# Altium PCB LimeSDR-Micro_1v1.PcbDoc (part 6 of 9)
Units mm, origin at the board's own origin, x right, y up, seen from the top; angles counter-clockwise.
Board outline 50.8 x 29.7 mm, 8 copper layers (Top, L2, L3, L4, L5, L6, L7, Bottom), stack 0.925 mm thick; 653 components, 377 nets, 2314 pads, 818 vias.
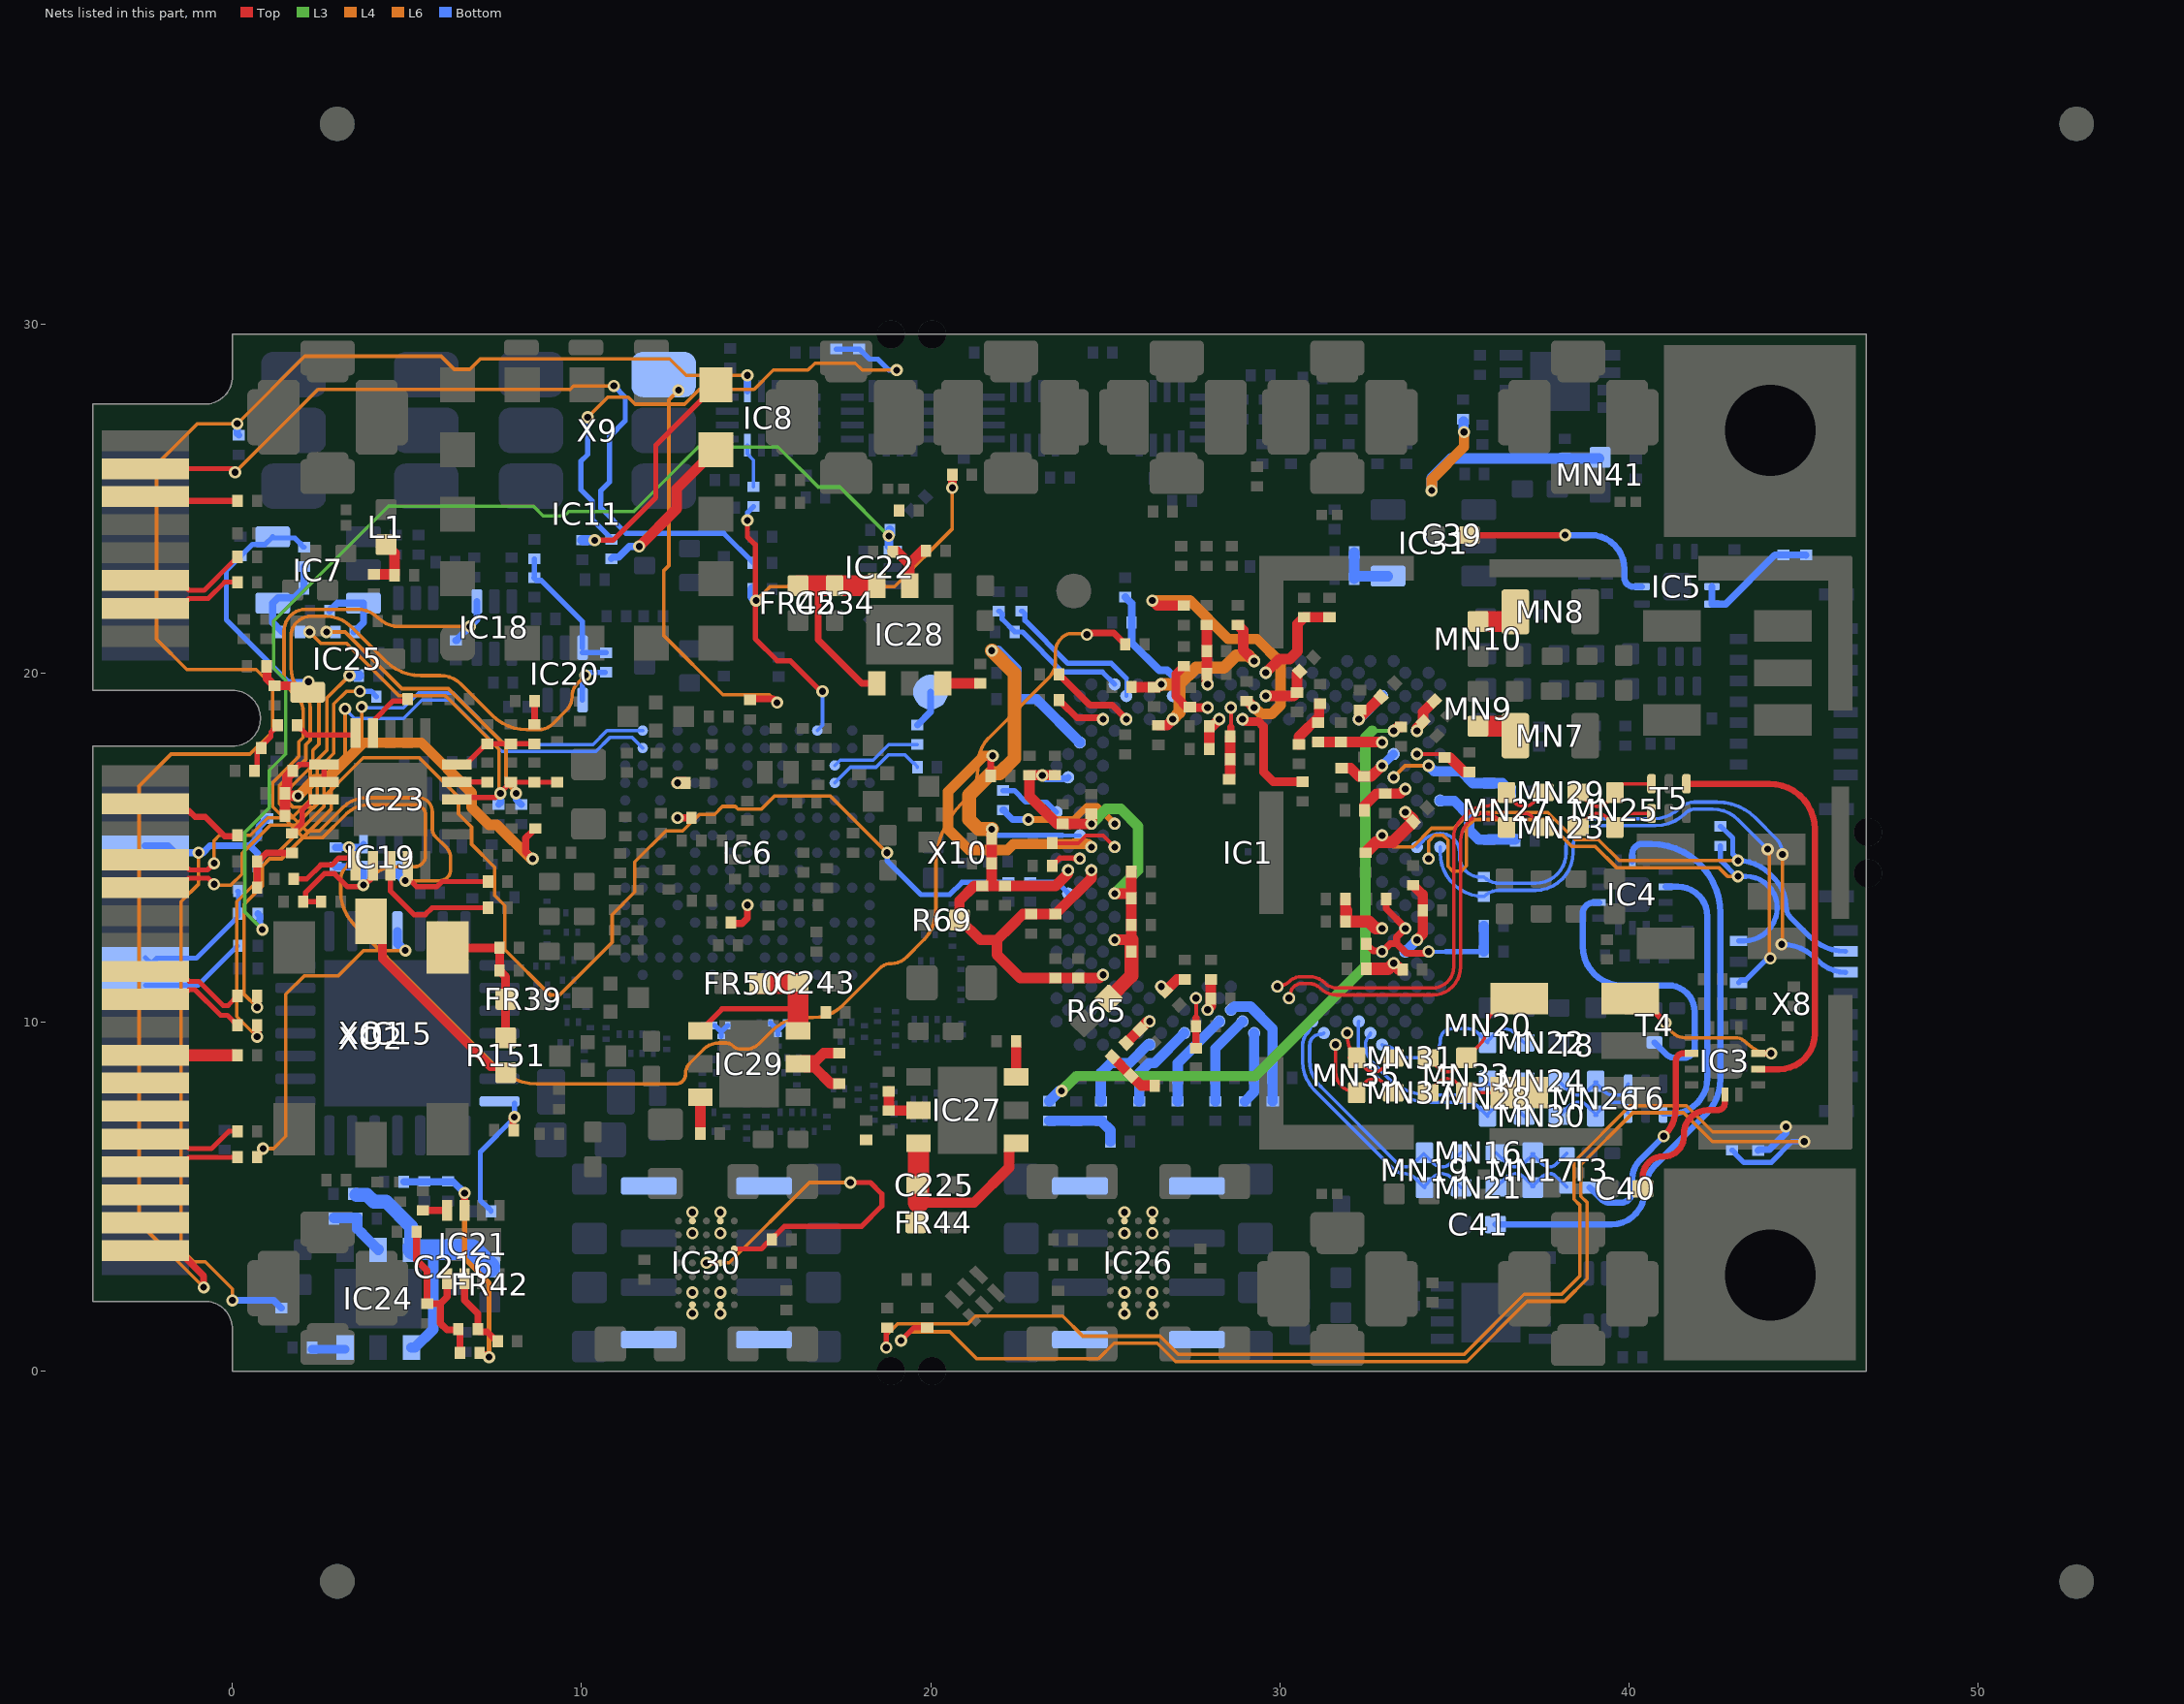
[diagram p12: the nets of this part, all layers, seen from the top]

## Via types
v1: diameter 0.35, hole 0.2, Top to Bottom, tented both sides, 672 vias
v2: diameter 0.35, hole 0.2, L5 to Bottom, tented both sides, 108 vias
v3: diameter 0.4, hole 0.2, Top to Bottom, tented both sides, 30 vias
v4: diameter 0.5, hole 0.2, Top to Bottom, tented both sides, 8 vias

## Nets (pads, with @x,y where several pads share a name; then routed paths per layer and width w, separated by ;. In a path a pad name is that pad's centre, name@x,y a point inside that pad or via, vN(x,y) a via of type N, cw(c..) or ccw(c..) an arc to the next point about the centre after c; other vN are vias at no path point) (continued)
LMS_TX2_BB_I_N: IC1.T6 R6.1 X8.3 | length 16.9
  L6 w0.1: v2(32.93,15.345) 33.255,15.02 33.82,15.02 34.35,15.55 34.992,15.55 35.442,16 37.683,16 38.458,15.225 39.125,15.225 39.725,14.625 v2(43.125,14.625) v2@43.15,14.625
  Bottom w0.15: R6.1@42.625,15.605 42.7,15.53 42.712,15.53 42.975,15.267 42.975,15.2 42.975,14.813 43.125,14.663 v2(43.125,14.625) cw(c43.125,13.358) 44.021,14.254 44.182,14.093 cw(c43.414,13.325) 44.5,13.325 ccw(c44.983,13.325) 44.642,12.983 45.17,12.455 ccw(c46.207,13.492) X8.3@46.207,12.025
LMS_TX2_BB_I_P: IC1.V2 R6.2 X8.2 | length 16.6
  L6 w0.1: v2(34.262,14.679) 34.262,15.179 34.433,15.35 34.675,15.35 34.817,15.208 34.817,14.458 34.95,14.325 35.2,14.325 35.35,14.475 35.35,15.575 35.575,15.8 37.6,15.8 38.375,15.025 39.042,15.025 39.642,14.425 42.575,14.425 42.825,14.175 v2(43.125,14.175)
  Bottom w0.15: R6.2@42.625,15.045 42.625,14.63 43.08,14.175 v2(43.125,14.175) 43.35,14.175 cw(c43.35,13.275) 44.25,13.275 cw(c43.3,13.275) 43.3,12.325 X8.2@43.142,12.325
LMS_TX2_BB_Q_N: IC1.U1 R9.2 X8.6 | length 16.4
  L6 w0.1: v2@43.975,11.9 v2@44.025,11.85 ; v2@44.025,14.95 v2@44.025,11.85 ; v2(44.05,11.825) v2@44.025,11.85
  Bottom w0.1: IC1.U1@34.595,15.012 34.595,14.85 ccw(c35.85,14.85) R9.2@35.85,13.595 cw(c36.285,13.16) 36.285,13.775 37.325,13.775 ccw(c37.325,14.85) 38.4,14.85 38.4,15 cw(c39.025,15) 39.025,15.625 40.766,15.625 ccw(c40.766,16.809) 41.603,15.972 cw(c41.912,15.663) 41.912,16.1 42.4,16.1 cw(c42.4,15.074) 43.126,15.799 v2(43.975,14.95)
  Bottom w0.15: X8.6@43.142,11.125 43.217,11.2 43.35,11.2 v2@43.922,11.772 ; v2@43.922,11.772 cw(c44.05,11.644) v2(44.05,11.825)
LMS_TX2_BB_Q_P: IC1.U3 R9.1 X8.5 | length 18
  L6 w0.1: v2@44.4,12.225 v2(44.4,14.8) v2@44.475,14.725
  Bottom w0.1: IC1.U3@33.929,15.012 34.116,15.2 cw(c34.6,14.716) 34.6,15.4 cw(c34.6,14.85) 35.15,14.85 35.15,14.75 ccw(c35.745,14.75) 35.745,14.155 R9.1@35.85,14.155 ccw(c36.285,14.59) 36.285,13.975 37.325,13.975 ccw(c37.325,14.85) 38.2,14.85 38.2,15 cw(c39.025,15) 39.025,15.825 40.726,15.825 ccw(c40.726,16.849) 41.45,16.125 cw(c41.872,15.703) 41.872,16.3 42.525,16.3 cw(c42.525,14.731) 43.635,15.84 44.234,15.241 cw(c43.892,14.9) v2@44.375,14.9
  Bottom w0.15: v2(44.376,12.225) cw(c44.376,10.84) 45.356,11.819 45.427,11.748 ccw(c46.207,12.529) X8.5@46.207,11.425
LMS_TXEN: IC1.U29 R11.1 | length 2
  Top w0.11: R11.1@23.48,15.15 R11.1@23.48,15.125 24.225,15.125 24.448,15.348 24.934,15.348 v1(25.27,15.012)
MCP_RESET: C180.1 IC15.14 R128.2 | length 4
  Top w0.2: v1@8,7.225 8.028,7.198 8.028,6.927 R128.2@8.055,6.9
  Bottom w0.15: C180.1@7.405,4.575 7.405,4.6 7.33,4.675 7.317,4.675 7.1,4.892 7.1,6.28 8.075,7.255 IC15.14@8.075,7.675
  other v1: 8.075,7.275
NetC7_2: C7.2 IC1.C29 R20.1 | length 4.3
  Bottom w0.15: R20.1@21.95,21.77 21.975,21.77 22.05,21.695 22.05,21.542 22.405,21.187 C7.2@22.405,21.175 22.63,21.175 23.78,20.025 24.92,20.025 IC1.C29@25.27,19.674
NetC39_2: C39.2 IC5.2 | length 5.9
  Top w0.18: C39.2@35.425,23.95 v1(38.175,23.95)
  Bottom w0.18: v1(38.175,23.95) 38.897,23.95 cw(c38.897,22.972) 39.875,22.972 39.875,22.725 ccw(c40.125,22.725) 40.125,22.475 IC5.2@40.375,22.475
NetC40_2: C40.2 IC3.13 | length 4.2
  Top w0.18: C40.2@40.4,5.225 40.4,5.575 cw(c40.975,5.575) 40.975,6.15 41,6.15 ccw(c41,6.725) 41.575,6.725 41.575,6.787 cw(c42.262,6.787) 42.262,7.475 42.538,7.475 ccw(c42.538,7.687) 42.75,7.687 IC3.13@42.75,7.922
NetC41_2: C41.2 IC4.13 | length 17.6
  Bottom w0.18: C41.2@36.177,4.2 39.5,4.2 ccw(c39.5,5.15) 40.392,4.822 ccw(c39.5,5.15) 40.45,5.15 cw(c41.536,5.15) 40.768,5.918 42.2,7.35 ccw(c41.176,8.375) 42.625,8.375 42.625,13.11 ccw(c40.635,13.11) 40.635,15.1 40.375,15.1 ccw(c40.375,14.825) 40.1,14.825 IC4.13@40.1,14.603
NetC42_1: C42.1 FR1.1 MN41.2 | length 7.8
  L6 w0.3: v1(34.35,25.225) 34.35,25.55 35.275,26.475 v1(35.275,26.9)
  Bottom w0.3: v1(34.35,25.225) 34.35,25.59 34.905,26.145 35.521,26.145 C42.1@38.165,26.145 MN41.2@39.145,26.145 ; FR1.1@35.265,27.205 35.265,26.91 v1(35.275,26.9)
NetC45_1: C45.1 FR2.2 IC5.8 IC5.9 | length 3.8
  Bottom w0.2: IC5.8@42.375,22.475 IC5.9@42.375,21.975 42.775,21.975 44.18,23.38 C45.1@44.425,23.38 45.065,23.38 FR2.2@45.07,23.375
NetC52_1: C52.1 C53.1 C59.1 C60.1 C61.1 C62.1 C63.1 C64.1 IC1.AA29 IC1.AE29 IC1.L33 IC1.R31 R65.2 | length 13.2
  Top w0.3: C60.1@23.564,17.069 C59.1@22.83,17.069 22.83,16.468 23.62,15.678 v1(24.604,15.678) C52.1@24.604,15.97 ; v1(25.27,13.68) 25.747,13.68 C63.1@25.747,14.31 ; v1@25.299,12.338 25.294,12.338 25.28,12.352 25.28,12.358 25.747,12.358 C61.1@25.747,12.785 C64.1@25.747,13.54
  Top w0.4: R65.2@25.1,10.675 25.747,11.322 C62.1@25.747,12.015 25.747,12.358
  L3 w0.3: v1(24.604,15.678) 25.029,16.103 25.447,16.103 25.942,15.607 25.942,14.352 v1(25.27,13.68)
  Bottom w0.2: v1(23.197,17.065) 23.294,16.968 23.79,16.968 23.804,16.981 23.91,16.981 IC1.L33@23.938,17.01
  other v1: 25.27,12.348
NetC54_1: C54.1 C55.1 C56.1 FR7.1 IC1.A17 IC1.C25 IC1.F24 | length 6.8
  Top w0.3: FR7.1@25.752,19.595 C56.1@26.397,19.595 26.51,19.595 26.589,19.674 v1(26.602,19.674) ; C54.1@26.524,18.501 26.774,18.501 26.935,18.662 v1(26.935,18.675) ; C55.1@28.8,21.375 28.95,21.225 28.95,20.657 v1(29.266,20.34)
  L4 w0.35: v1(26.602,19.674) 27.125,19.674 ; v1(26.935,18.675) 27.125,18.865 27.125,19.674 ; v1(29.266,20.34) 29.107,20.5 28.75,20.5 28.4,20.15 27.601,20.15 27.125,19.674
NetC57_2: C57.2 FR6.1 IC1.M4 | length 1.5
  Top w0.3: FR6.1@32.427,16.065 32.427,16.199 32.773,16.545 C57.2@33.022,16.545 33.45,16.545 33.582,16.677 v1(33.596,16.677)
NetC58_1: C58.1 FR5.1 IC1.AL21 | length 0.9
  Top w0.3: v1(27.934,10.35) 27.934,10.364 28.026,10.456 C58.1@28.026,10.675 FR5.1@28.025,11.22 FR5.1@28.025,11.22
NetC65_1: C65.1 IC1.G5 R66.1 | length 18.3
  Top w0.3: v1(33.263,18.342) 33.276,18.342 33.389,18.455 C65.1@33.475,18.455
  L3 w0.11: 32.658,18.342 v1@33.182,18.342
  L3 w0.3: v1(23.75,8.025) 24.175,8.45 29.3,8.45 32.45,11.6 32.45,18.15 32.65,18.35
  Bottom w0.3: R66.1@23.4,7.731 23.694,8.025 v1(23.75,8.025)
NetC66_1: C66.1 FR10.1 IC1.P4 | length 2.1
  Top w0.35: FR10.1@32.484,14.875 32.759,15.15 33.232,15.15 C66.1@33.824,15.742 33.824,15.782 v1(33.596,16.011)
NetC67_1: C67.1 FR21.1 IC1.D6 IC1.F8 | length 1.8
  Top w0.3: v1(32.264,18.675) 32.264,18.681 FR21.1@32.899,19.317
  Bottom w0.3: v1(32.264,18.675) IC1.D6@32.93,19.341
NetC68_1: C68.1 FR20.1 IC1.B16 | length 2.9
  Top w0.3: v1(29.599,20.007) 29.992,20.4 30.288,20.4 30.509,20.621 30.509,21.404 C68.1@30.7,21.595 FR20.1@31.425,21.595
NetC69_1: C69.1 C70.1 FR19.1 IC1.E19 | length 2
  Top w0.11: 28.6,18.45 v1(28.6,19.008)
  Top w0.2: C69.1@28.6,18.155 28.6,18.18 28.6,18.45
  Top w0.3: FR19.1@28.575,17.055 28.575,17.628 C69.1@28.575,18.155
NetC71_2: C71.2 FR18.1 IC1.F20 | length 1
  Top w0.3: FR18.1@27.98,17.825 C71.2@27.98,18.475 28.067,18.475 v1(28.267,18.675)
NetC72_1: C72.1 FR17.1 IC1.AJ25 | length 0.7
  Top w0.3: C72.1@26.724,10.888 27.056,11.22 FR17.1@27.275,11.22
  other v1: 26.602,11.016
NetC73_1: C73.1 IC1.AP26 R67.1 | length 2.5
  Bottom w0.3: R67.1@24.875,7.73 C73.1@24.875,8.4 24.875,8.539 25.161,8.825 25.696,8.825 26.212,9.341 26.26,9.341 IC1.AP26@26.269,9.351
NetC74_1: C74.1 FR15.1 IC1.AN23 | length 2.6
  Bottom w0.3: FR15.1@25.97,7.73 25.975,7.73 C74.1@25.975,8.4 25.975,8.539 26.261,8.825 26.409,8.825 IC1.AN23@27.268,9.684
NetC75_1: C75.1 FR14.1 IC1.AM20 | length 2.8
  Bottom w0.3: FR14.1@27.075,7.73 C75.1@27.075,8.4 27.075,8.825 IC1.AM20@28.267,10.017
NetC76_1: C76.1 FR13.1 IC1.AL19 | length 3.6
  Bottom w0.3: IC1.AL19@28.6,10.35 28.614,10.35 28.706,10.442 29.158,10.442 29.795,9.805 C76.1@29.795,8.4 FR13.1@29.795,7.73
NetC77_1: C77.1 FR12.1 IC1.AG5 | length 1.1
  Top w0.35: FR12.1@32.53,11.525 33.105,11.525 v1(33.263,11.682) C77.1@33.445,11.5
NetC78_2: C78.2 FR11.1 IC1.AD6 | length 2.1
  Top w0.3: FR11.1@31.88,12.875 C78.2@31.88,13.525
  Top w0.35: 31.905,13.2 31.905,12.875 32.556,12.875 32.75,12.681 v1(32.93,12.681)
NetC79_1: C79.1 FR9.1 IC1.J3 | length 1.6
  Top w0.11: v1(33.929,17.676) 34.629,17.676 C79.1@34.63,17.675
  Top w0.3: C79.1@34.725,17.58 34.87,17.58 35.285,17.165 FR9.1@35.428,17.165
NetC80_2: C80.2 FR8.1 IC1.J5 IC1.K6 | length 1.9
  Top w0.3: FR8.1@31.772,17.27 32.03,17.27 32.265,17.035 C80.2@32.422,17.035 32.621,17.035 v1(32.93,17.343)
  Bottom w0.25: v1(32.93,17.343) IC1.J5@33.263,17.676
NetC81_2: C81.2 FR16.1 R66.2 R67.2 | length 2.2
  Bottom w0.3: R66.2@23.4,7.171 R66.2@23.425,7.171 ; R66.2@23.426,7.17 C81.2@24.175,7.17 R67.2@24.875,7.17 24.9,7.17 24.9,7.145 25.145,6.9 FR16.1@25.145,6.575
NetC82_1: C82.1 FR22.1 IC1.K2 IC1.L5 | length 3.8
  L4 w0.11: v1(33.263,17.01) 33.596,17.343 v1(34.262,17.343)
  Bottom w0.3: v1(34.262,17.343) 34.422,17.183 35.192,17.183 35.53,16.845 C82.1@36,16.845 36.375,16.845 36.6,16.62 36.625,16.62 FR22.1@36.625,16.595
NetC83_1: C83.1 C84.1 FR25.1 IC1.C21 | length 1.7
  Top w0.3: v1@27.909,19.674 C83.1@27.909,19.975 C84.1@27.909,20.625 FR25.1@27.909,21.375
  other v1: 27.934,19.674
NetC85_1: C85.1 C86.1 C87.1 FR24.1 IC1.AD4 IC1.AF2 IC1.AF6 | length 6
  Top w0.2: C85.1@32.477,12.24 32.477,12.215 32.527,12.165 32.552,12.165 32.68,12.037 32.907,12.037 v1(32.93,12.015) 33.165,12.25 33.35,12.25 ; C86.1@33.05,13.525 33.05,13.245 33.596,12.699 v1(33.596,12.681) 33.35,12.436 33.35,12.25 ; v1(34.262,12.015) 34.233,11.986 34.127,11.986 34.113,11.973 33.627,11.973 33.35,12.25
  Bottom w0.11: v1(34.262,12.015) 34.766,12.015
  Bottom w0.15: 34.766,12.015 C87.1@35.845,12.015
  Bottom w0.3: C87.1@35.845,12.015 FR24.1@35.845,12.75
NetC88_1: C88.1 FR23.1 IC1.AN17 | length 2.1
  Bottom w0.3: FR23.1@29,7.73 29.266,7.996 C88.1@29.266,8.4 IC1.AN17@29.266,9.684
NetC89_1: C89.1 IC1.D24 R68.1 | length 3.5
  Bottom w0.11: IC1.D24@26.935,19.341 26.935,19.915
  Bottom w0.22: R68.1@25.575,22.17 25.755,21.99 C89.1@25.755,21.45 25.755,20.87 26.55,20.075 26.775,20.075 26.935,19.915
NetC90_1: C90.1 C91.1 C92.1 C93.1 C94.1 C95.1 C96.1 C97.1 C98.1 C99.1 IC1.AH30 IC1.H32 IC1.T32 IC1.W31 IC1.W33 R69.2 | length 27.7
  Top w0.3: R69.2@20.825,12.925 R69.2@20.825,12.95 ; v1@21.746,15.525 C94.1@21.746,15.258 C95.1@21.746,14.541 21.746,13.9 ; 22.3,12.749 21.9,12.349 ; 22.3,12.75 22.641,13.091 C91.1@22.875,13.091 C90.1@23.575,13.091 24.604,14.12 v1(24.604,14.346) ; v1(23.938,14.346) 23.929,14.336 23.929,14.245 23.584,13.9 C96.1@22.13,13.9 21.746,13.9 ; v1(24.937,11.349) 24.924,11.349 24.832,11.257 C99.1@24.225,11.257 C98.1@23.575,11.257 22.568,11.257 21.9,11.925 21.9,12.349 ; R69.2@20.825,12.95 21.426,12.349 21.9,12.349 ; R69.2@20.825,12.95 20.825,13.475 21.25,13.9 C97.1@21.475,13.9 21.746,13.9
  L4 w0.4: v1(21.75,15.525) 21.375,15.525 21.1,15.8 21.1,16.5 21.725,17.125 21.975,17.125 22.4,17.55 22.4,19.989 v1(21.75,20.639)
  Bottom w0.11: 23.767,15.345 IC1.T32@24.271,15.345
  Bottom w0.15: v1(21.75,15.525) 21.93,15.345 23.767,15.345
  Bottom w0.3: v1(21.75,20.639) 21.93,20.639 22.45,20.119 C93.1@22.45,20 C92.1@22.45,19.25 23.031,19.25 IC1.H32@24.271,18.009
NetC100_1: C100.1 FR26.1 IC1.G3 | length 1.1
  Top w0.3: v1(33.929,18.342) 33.938,18.352 33.938,18.434 34.12,18.616 34.106,18.629 34.106,18.877 FR26.1@34.427,19.198
NetC101_1: C101.1 FR33.1 IC1.E21 | length 2
  Top w0.25: FR33.1@27.25,20.195 27.225,20.195 27.2,20.17 27.2,20.145 27.025,19.97 27.025,19.337 27.354,19.008 v1(27.934,19.008)
NetC102_1: C102.1 FR32.1 IC1.D16 | length 1.6
  Top w0.3: v1(29.599,19.341) 30.395,19.341 C102.1@30.495,19.441 30.495,19.975 FR32.1@30.57,20.05
NetC103_1: C103.1 FR31.1 IC1.E17 | length 7.8
  Top w0.3: v1(26.35,22.075) 26.495,21.93 FR31.1@27.25,21.93 ; C103.1@29.05,19.195 29.075,19.195 29.262,19.008 v1(29.266,19.008)
  L4 w0.3: v1(26.35,22.075) 27.425,22.075 28.525,20.975 29.35,20.975 30.025,20.3 30.025,19.075 29.775,18.825 29.463,18.825 29.28,19.008 v1(29.266,19.008)
NetC104_1: C104.1 FR30.1 IC1.AK22 | length 1.4
  Top w0.11: 27.601,10.124 v1(27.601,10.683)
  Top w0.2: FR30.1@27.601,9.25 C104.1@27.601,9.875 27.601,10.124
NetC105_1: C105.1 FR29.1 IC1.AM18 | length 2.6
  Bottom w0.3: FR29.1@28.155,7.73 C105.1@28.155,8.4 28.155,9.239 IC1.AM18@28.933,10.017
NetC106_1: C106.1 FR28.2 IC1.AE3 IC1.AF4 | length 2.2
  Top w0.3: FR28.2@33.82,13.92 34.095,13.645 C106.1@34.095,13.2 34.095,12.528 33.929,12.362 v1(33.929,12.348)
  Bottom w0.3: IC1.AF4@33.596,12.015 v1(33.929,12.348)
NetC107_1: C107.1 FR27.2 IC1.N1 | length 2.9
  Bottom w0.3: IC1.N1@34.595,16.344 34.606,16.333 34.997,16.333 35.425,15.905 35.425,15.5 35.7,15.225 C107.1@36,15.225 ; C107.1@36,15.23 FR27.2@36.745,15.23
NetC108_1: C108.1 FR35.1 IC1.AM26 | length 0.9
  Top w0.3: FR35.1@25.598,9.398 26.207,10.007 26.26,10.007 v1(26.269,10.017)
NetC109_1: C109.1 FR34.2 IC1.H6 | length 1.9
  Top w0.3: FR34.2@31.075,18.02 31.725,18.02 32.905,18.02 32.916,18.009 v1(32.93,18.009)
NetC110_1: C110.1 FR35.2 R71.2 | length 1.6
  Top w0.3: FR35.2@25.202,9.002 C110.1@25.74,8.465 26.029,8.175 R71.2@26.42,8.175
NetC111_1: C111.1 FR34.1 R70.1 | length 1.4
  Top w0.3: C111.1@30.55,17.955 30.55,18.175 31.125,18.75 31.125,19.12 R70.1@31.15,19.12
NetC125_1: C125.1 R79.1 | length 8.4
  L6 w0.1: v2(2.205,21.175) 2.53,20.85 3.267,20.85 4.767,19.35 6.1,19.35 7.634,17.816 7.634,16.591 v2(7.675,16.55)
  Bottom w0.2: R79.1@7.625,16.23 7.675,16.28 v2(7.675,16.55)
NetC125_2: C125.2 IC7.4 R74.2 R75.2 | length 2.6
  Bottom w0.2: C125.2@1.42,21.175 1.15,21.445 IC7.4@1.15,22 1.305,22.155 1.775,22.155 1.97,22.35 1.995,22.35 2.045,22.4 R74.2@2.045,22.425 2.045,23.04 R75.2@2.05,23.045
NetC131_1: C131.1 R82.1 | length 8.3
  L6 w0.1: v2(2.695,21.175) 3.225,21.175 4.85,19.55 6.183,19.55 7.834,17.899 7.834,16.851 8.125,16.56 v2(8.125,16.55)
  Bottom w0.2: v2(8.125,16.55) 8.125,16.38 R82.1@8.275,16.23
NetC131_2: C131.2 IC7.3 R84.2 | length 2
  Bottom w0.2: R84.2@2.78,21.775 2.78,21.8 2.83,21.85 2.855,21.85 3.005,22 IC7.3@3.75,22 3.75,21.445 C131.2@3.48,21.175
NetC167_1: C167.1 L1.2 R107.1 | length 1.4
  Top w0.3: R107.1@4.175,22.83 4.645,22.83 4.645,23.43 L1.2@4.4,23.675
NetC170_1: C170.1 FR37.1 R214.2 | length 15.7
  L4 w0.1: v1(10.175,27.325) 10.75,27.9 11.331,27.9 11.531,27.7 12.95,27.7 13.375,28.125 14.942,28.125 15.492,28.675 16.483,28.675 16.683,28.875 17.842,28.875 18.042,28.675 18.125,28.675 v1(19.025,28.675) ; v1@19.045,28.695 v1@19.075,28.725
  Bottom w0.15: v1(10.175,27.325) 10.175,26.263 9.975,26.063 9.975,25.25 10.3,24.925 10.3,24.4 FR37.1@10.86,23.84 ; C170.1@17.3,29.28 17.962,29.28 18.252,28.99 18.489,28.99 18.804,28.675 v1(19.025,28.675)
NetC186_1: C186.1 C187.1 FR39.1 R151.2 XO1.5 XO2.4 | length 4.3
  Top w0.25: XO1.5@6.164,12.135 6.164,12.225 6.264,12.125 C186.1@7.65,12.125 7.65,11.48 C187.1@7.645,11.475 7.825,11.295 FR39.1@7.825,10.65 7.823,10.648 R151.2@7.823,9.547
NetC193_2: C193.2 IC20.3 R157.2 R162.1 | length 3.9
  Bottom w0.15: R157.2@8.625,22.73 8.7,22.655 8.84,22.655 10.025,21.47 IC20.3@10.025,20.725 ; R157.2@8.65,22.73 C193.2@8.65,23.27 ; IC20.3@10.02,20.58 R162.1@10.7,20.58
NetC194_1: C194.1 IC21.7 R165.1 R167.1 R168.1 | length 7.7
  Top w0.2: IC21.7@6.65,4.6 v1(6.65,5.1) ; R167.1@7.08,0.525 7.13,0.475 7.275,0.475 v1(7.35,0.4)
  L4 w0.15: v1(6.65,5.1) 6.65,3.225 7.35,2.525 v1(7.35,0.4)
  Bottom w0.2: R165.1@4.905,5.425 6.325,5.425 v1(6.65,5.1)
NetC196_1: C196.1 FR40.2 IC21.1 R161.1 R167.2 | length 5.2
  Top w0.2: FR40.2@5.275,3.995 5.275,3.18 5.575,2.88 C196.1@5.575,1.93 5.955,1.93 ; IC21.1@6.15,2.65 6.15,2.125 5.955,1.93 ; R167.2@6.52,0.525 6.52,1.125 6.47,1.175 R161.1@6.47,1.2 6.45,1.18 6.145,1.18 5.955,1.37 5.955,1.93
NetC198_2: C198.2 C199.2 C200.2 FR41.2 IC23.6 IC23.7 | length 13.1
  Top w0.15: C199.2@1.825,17.3 1.9,17.375 IC23.6@2.625,17.375 IC23.7@2.625,16.875
  Top w0.2: v1(8.6,14.675) 8.4,14.875 8.4,15.27 8.6,15.47 8.6,15.495 8.65,15.545 FR41.2@8.675,15.545
  Top w0.3: C200.2@1.505,15.9 C198.2@1.505,16.525 ; C199.2@1.725,17.175 1.565,17.015 1.565,16.723 1.505,16.663 C198.2@1.505,16.55 C198.2@1.505,16.525 ; v1(1.875,16.475) 1.865,16.485 1.57,16.485 1.53,16.525 C198.2@1.505,16.525
  L6 w0.3: v1(1.875,16.475) 2.35,16.95 2.7,16.95 3.75,18 5.412,18 6.85,16.562 6.85,16.15 7.35,15.65 7.575,15.65 8.55,14.675 v1(8.6,14.675)
NetC202_1: C202.1 C203.2 R169.1 | length 1.6
  Top w0.15: C203.2@0.705,17.2 0.705,17.71 0.82,17.825 R169.1@0.82,17.85 0.895,17.925 0.895,17.97 1.1,18.175 1.1,18.305 1.195,18.4 1.22,18.4 1.295,18.475 C202.1@1.295,18.5
NetC202_2: C202.2 IC23.5 | length 1.8
  Top w0.15: C202.2@1.855,18.5 2.13,18.225 3.475,18.225 IC23.5@3.525,18.275
NetC206_1: C206.1 C208.2 IC23.18 R171.1 | length 3.1
  Top w0.15: IC23.18@6.425,16.375 6.48,16.43 7.535,16.43 7.875,16.77 7.875,16.795 7.95,16.87 C206.1@7.975,16.87 C208.2@8.65,16.87 R171.1@9.3,16.87
NetC209_1: C209.1 IC23.8 | length 1.6
  Top w0.15: C209.1@1.7,15.405 1.725,15.405 1.8,15.48 1.8,15.505 2,15.705 2,16.075 2.3,16.375 IC23.8@2.625,16.375
NetC209_2: C209.2 C210.1 R179.2 | length 1.8
  Top w0.2: C210.1@0.705,13.85 0.705,14.575 0.975,14.845 C209.2@1.7,14.845
NetC211_2: C211.2 IC23.4 | length 1.6
  Top w0.15: IC23.4@4.025,18.275 4.025,18.625 4.6,19.2 C211.2@5.02,19.2
NetC213_1: C213.1 R181.1 | length 0.7
  Top w0.2: C213.1@8.65,18.53 8.65,19.195 R181.1@8.655,19.2
NetC213_2: C213.2 C214.2 IC23.20 R178.2 | length 2.5
  Top w0.15: IC23.20@6.425,17.375 6.673,17.375 R178.2@7.284,17.986 ; R178.2@7.3,17.97 C214.2@7.975,17.97 C213.2@8.65,17.97
NetC215_1: C215.1 IC23.12 R183.1 | length 3.6
  Top w0.15: R183.1@2.54,13.45 2.099,13.45 C215.1@2.025,13.45 2.099,13.524 2.099,13.719 2.63,14.25 2.925,14.25 3.3,13.875 3.747,13.875 3.95,14.078 3.95,14.125 4.025,14.2 IC23.12@4.025,14.475
NetC216_2: C216.2 FR42.2 IC24.1 IC24.6 R188.1 | length 8
  Bottom w0.3: IC24.6@5.025,3.575 IC24.6@5.125,3.475 ; IC24.1@5.125,0.675 5.229,0.675 5.75,1.196 5.75,3.225
  Bottom w0.4: R188.1@3.55,5.05 3.85,5.05 4.05,4.85 4.403,4.85 5.125,4.128 IC24.6@5.125,3.475
  Bottom w0.6: IC24.6@5.175,3.475 C216.2@6.325,3.475 6.875,3.475 FR42.2@7.375,2.975
NetC221_2: C221.2 IC24.3 | length 0.9
  Bottom w0.25: C221.2@2.28,0.625 IC24.3@3.225,0.625
NetC225_2: C225.2 FR44.2 IC27.1 IC27.6 R194.1 | length 5.4